# KiCad board OM-16LED.kicad_pcb
title: OM-16LED - 16 CHANNEL LED DRIVER; date: 2026-03-13; rev: 1B; company: HTTPS://GITHUB.COM/OPENMODBUS/OM-16LED; note: Supply voltage: 12/15–27 V DC; Output rating: up to 60 V DC; note: Suitable for driving multiple LED strips.; note: Communicates with other devices via MODBUS and provides 16 outputs.; note: Module designed for home industrial automation systems.
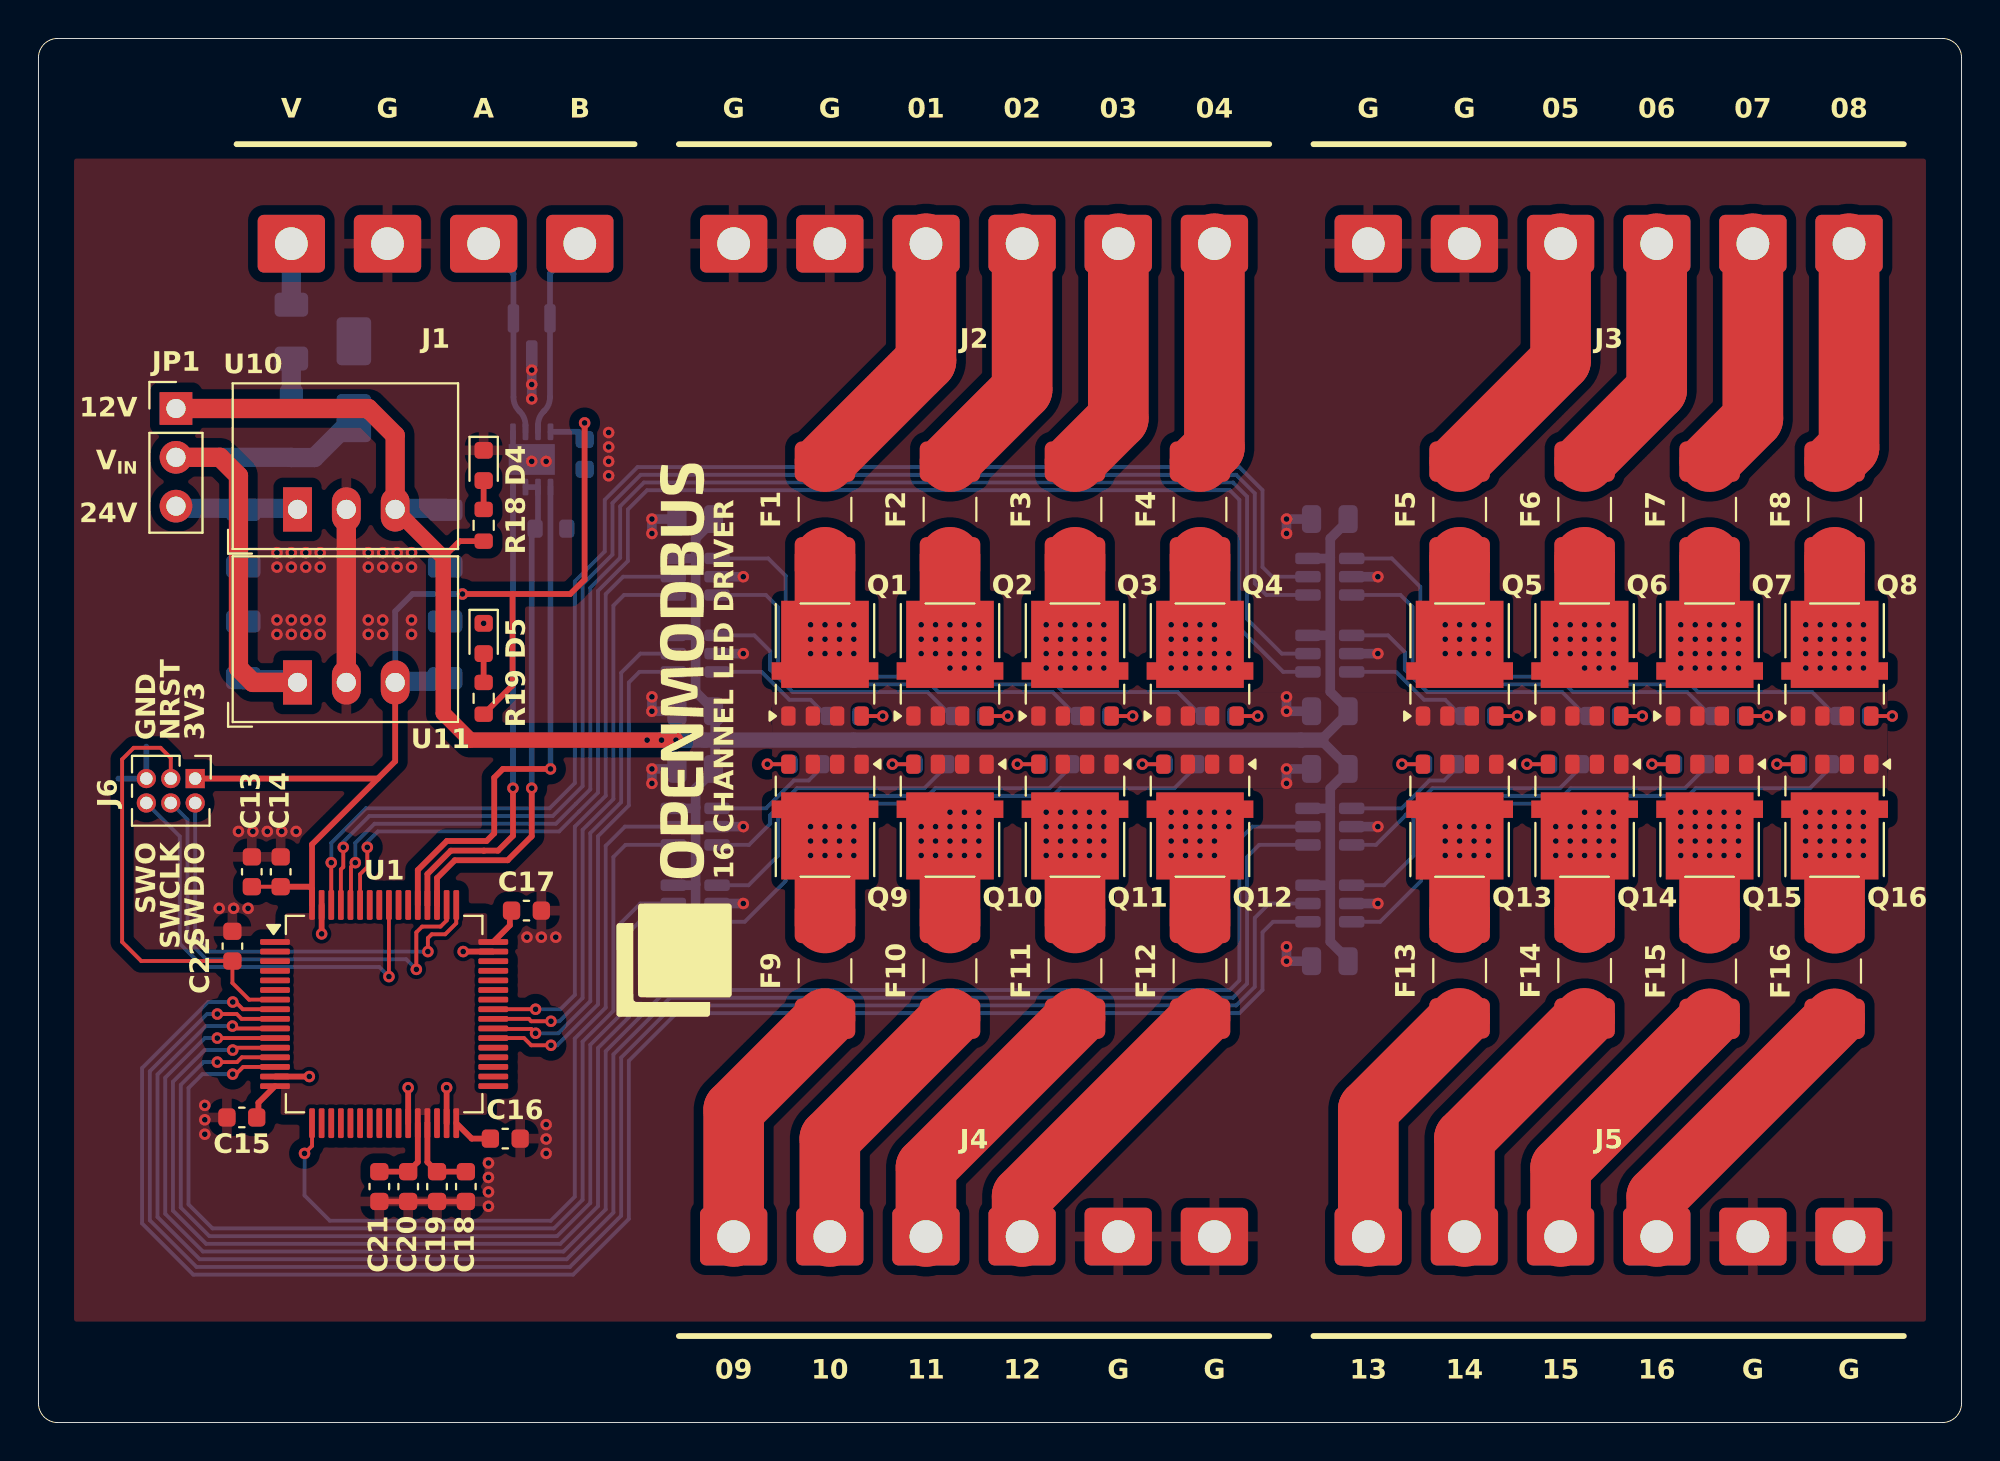
[diagram p0: board, top side]
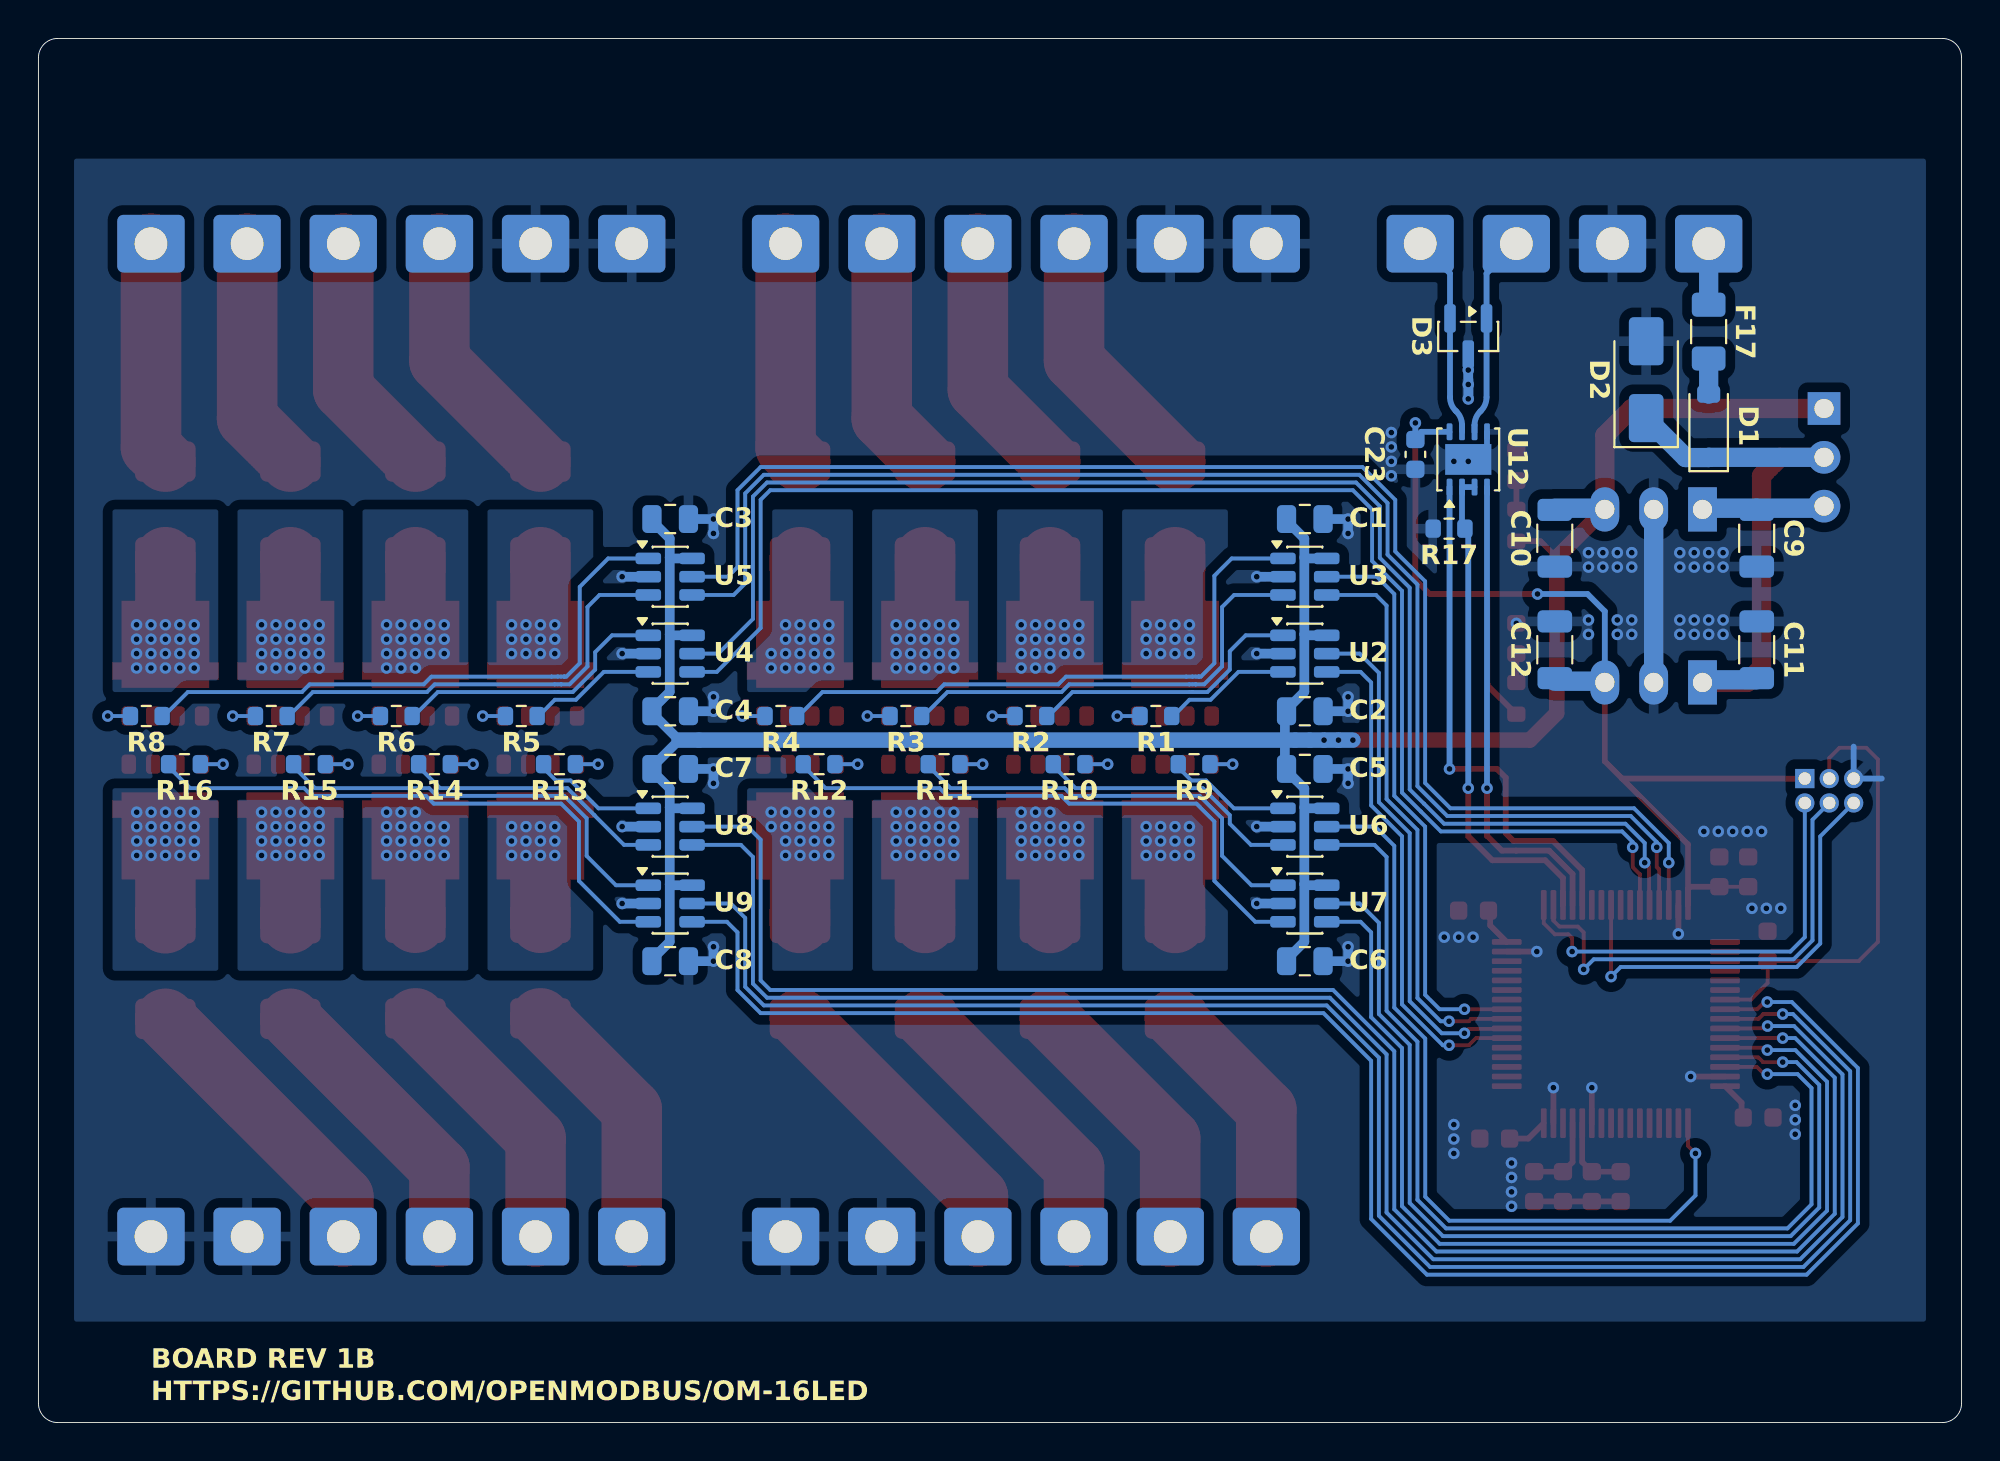
[diagram p1: board, bottom side, seen from below]

Outline 100 x 72 mm; copper layers: Top, Bottom. Coordinates in mm from the lower left corner of the outline.
Outline path: 0,71 arc(0.29,71.71) 1,72 99,72 arc(99.71,71.71) 100,71 100,1 arc(99.71,0.29) 99,0 1,0 arc(0.29,0.29) 0,1 0,71
Stack: Top 0.035mm / dielectric 1.51mm FR4 er 4.5 / Bottom 0.035mm

## Placement (name value [footprint] x y rotation side)
C1  0.1uF  [C_0805_2012Metric]  34.15 47 180 bottom
C2  0.1uF  [C_0805_2012Metric]  34.15 37 180 bottom
C3  0.1uF  [C_0805_2012Metric]  67.15 47 180 bottom
C4  0.1uF  [C_0805_2012Metric]  67.15 37 180 bottom
C5  0.1uF  [C_0805_2012Metric]  34.15 34 180 bottom
C6  0.1uF  [C_0805_2012Metric]  34.15 24 180 bottom
C7  0.1uF  [C_0805_2012Metric]  67.15 34 180 bottom
C8  0.1uF  [C_0805_2012Metric]  67.15 24 180 bottom
C9  10uF  [C_1206_3216Metric]  10.65 46 270 bottom
C10  10uF  [C_1206_3216Metric]  21.15 46 270 bottom
C11  10uF  [C_1206_3216Metric]  10.65 40.2 90 bottom
C12  10uF  [C_1206_3216Metric]  21.15 40.2 90 bottom
C13  4.7uF  [C_0603_1608Metric]  11.09 28.65 90 top
C14  0.1uF  [C_0603_1608Metric]  12.59 28.65 90 top
C15  0.1uF  [C_0603_1608Metric]  10.57 15.87 180 top
C16  0.1uF  [C_0603_1608Metric]  24.27 14.77 0 top
C17  0.1uF  [C_0603_1608Metric]  25.38 26.63 0 top
C18  1uF  [C_0603_1608Metric]  22.23 12.28 270 top
C19  0.1uF  [C_0603_1608Metric]  20.73 12.28 270 top
C20  10nF  [C_0603_1608Metric]  19.23 12.28 270 top
C21  1uF  [C_0603_1608Metric]  17.73 12.28 270 top
C22  0.1uF  [C_0603_1608Metric]  10.08 24.78 270 top
C23  0.1uF  [C_0603_1608Metric]  28.4 50.36 90 bottom
D1  CD123D-B140LR  [D_SOD-123]  13.15 51.85 90 bottom
D2  SMAJ28A  [D_SMA]  16.4 54.25 90 bottom
D3  SM712_SOT23  [SOT-23]  25.65 56.5 270 bottom
D4  RED  [LED_0603_1608Metric]  23.15 49.79 270 top
D5  RED  [LED_0603_1608Metric]  23.15 40.79 270 top
F1  8A 60VDC  [Fuse_0679H]  40.9 47.5 90 top
F2  8A 60VDC  [Fuse_0679H]  47.4 47.5 90 top
F3  8A 60VDC  [Fuse_0679H]  53.9 47.5 90 top
F4  8A 60VDC  [Fuse_0679H]  60.4 47.5 90 top
F5  8A 60VDC  [Fuse_0679H]  73.9 47.5 90 top
F6  8A 60VDC  [Fuse_0679H]  80.4 47.5 90 top
F7  8A 60VDC  [Fuse_0679H]  86.9 47.5 90 top
F8  8A 60VDC  [Fuse_0679H]  93.4 47.5 90 top
F9  8A 60VDC  [Fuse_0679H]  40.9 23.5 270 top
F10  8A 60VDC  [Fuse_0679H]  47.4 23.5 270 top
F11  8A 60VDC  [Fuse_0679H]  53.9 23.5 270 top
F12  8A 60VDC  [Fuse_0679H]  60.4 23.5 270 top
F13  8A 60VDC  [Fuse_0679H]  73.9 23.51 270 top
F14  8A 60VDC  [Fuse_0679H]  80.4 23.51 270 top
F15  8A 60VDC  [Fuse_0679H]  86.9 23.49 270 top
F16  8A 60VDC  [Fuse_0679H]  93.4 23.49 270 top
F17  1A  [Fuse_1206_3216Metric]  13.15 56.75 270 bottom
G***  LOGO  [OpenModbus]  33.05 35.5 90 top
J1  2EDGVC-5.0-04P  [TerminalBlock_DEGSON_2EDGVC-5.0-04P_No_SilkScreen]  13.15 61.32 0 top
J2  2EDGVC-5.0-06P  [TerminalBlock_DEGSON_2EDGVC-5.0-06P_No_SilkScreen]  36.15 61.32 0 top
J3  2EDGVC-5.0-06P  [TerminalBlock_DEGSON_2EDGVC-5.0-06P_No_SilkScreen]  69.15 61.32 0 top
J4  2EDGVC-5.0-06P  [TerminalBlock_DEGSON_2EDGVC-5.0-06P_No_SilkScreen]  61.15 9.68 180 top
J5  2EDGVC-5.0-06P  [TerminalBlock_DEGSON_2EDGVC-5.0-06P_No_SilkScreen]  94.15 9.68 180 top
J6  02x03 1.27  [PinHeader_2x03_P1.27mm_Vertical]  8.15 33.5 270 top  (not fitted)
JP1  Jumper_3_Open  [PinHeader_1x03_P2.54mm_Vertical]  7.15 52.75 0 top
Q1  NTMFS4D0N08X  [ONSemi_SO-8FL_488AA]  40.9 39.5 90 top
Q2  NTMFS4D0N08X  [ONSemi_SO-8FL_488AA]  47.4 39.5 90 top
Q3  NTMFS4D0N08X  [ONSemi_SO-8FL_488AA]  53.9 39.5 90 top
Q4  NTMFS4D0N08X  [ONSemi_SO-8FL_488AA]  60.4 39.5 90 top
Q5  NTMFS4D0N08X  [ONSemi_SO-8FL_488AA]  73.9 39.5 90 top
Q6  NTMFS4D0N08X  [ONSemi_SO-8FL_488AA]  80.4 39.5 90 top
Q7  NTMFS4D0N08X  [ONSemi_SO-8FL_488AA]  86.9 39.5 90 top
Q8  NTMFS4D0N08X  [ONSemi_SO-8FL_488AA]  93.4 39.5 90 top
Q9  NTMFS4D0N08X  [ONSemi_SO-8FL_488AA]  40.9 31.5 270 top
Q10  NTMFS4D0N08X  [ONSemi_SO-8FL_488AA]  47.4 31.5 270 top
Q11  NTMFS4D0N08X  [ONSemi_SO-8FL_488AA]  53.9 31.5 270 top
Q12  NTMFS4D0N08X  [ONSemi_SO-8FL_488AA]  60.4 31.5 270 top
Q13  NTMFS4D0N08X  [ONSemi_SO-8FL_488AA]  73.9 31.5 270 top
Q14  NTMFS4D0N08X  [ONSemi_SO-8FL_488AA]  80.4 31.5 270 top
Q15  NTMFS4D0N08X  [ONSemi_SO-8FL_488AA]  86.9 31.5 270 top
Q16  NTMFS4D0N08X  [ONSemi_SO-8FL_488AA]  93.4 31.5 270 top
R1  10  [R_0603_1608Metric]  41.89 36.75 0 bottom
R2  10  [R_0603_1608Metric]  48.39 36.75 0 bottom
R3  10  [R_0603_1608Metric]  54.89 36.75 0 bottom
R4  10  [R_0603_1608Metric]  61.39 36.75 0 bottom
R5  10  [R_0603_1608Metric]  74.89 36.75 0 bottom
R6  10  [R_0603_1608Metric]  81.39 36.75 0 bottom
R7  10  [R_0603_1608Metric]  87.89 36.75 0 bottom
R8  10  [R_0603_1608Metric]  94.39 36.75 0 bottom
R9  10  [R_0603_1608Metric]  39.91 34.25 180 bottom
R10  10  [R_0603_1608Metric]  46.41 34.25 180 bottom
R11  10  [R_0603_1608Metric]  52.91 34.25 180 bottom
R12  10  [R_0603_1608Metric]  59.41 34.25 180 bottom
R13  10  [R_0603_1608Metric]  72.91 34.25 180 bottom
R14  10  [R_0603_1608Metric]  79.41 34.25 180 bottom
R15  10  [R_0603_1608Metric]  85.91 34.25 180 bottom
R16  10  [R_0603_1608Metric]  92.41 34.25 180 bottom
R17  10K  [R_0603_1608Metric]  26.65 46.5 0 bottom
R18  2K2  [R_0603_1608Metric]  23.15 46.67 90 top
R19  470  [R_0603_1608Metric]  23.15 37.67 90 top
U1  STM32G474RETx  [LQFP-64_10x10mm_P0.5mm]  17.98 21.25 0 top
U2  2EDN7534B  [SOT-23-6]  34.15 40 180 bottom
U3  2EDN7534B  [SOT-23-6]  34.15 44 180 bottom
U4  2EDN7534B  [SOT-23-6]  67.15 40 180 bottom
U5  2EDN7534B  [SOT-23-6]  67.15 44 180 bottom
U6  2EDN7534B  [SOT-23-6]  34.15 31 180 bottom
U7  2EDN7534B  [SOT-23-6]  34.15 27 180 bottom
U8  2EDN7534B  [SOT-23-6]  67.15 31 180 bottom
U9  2EDN7534B  [SOT-23-6]  67.15 27 180 bottom
U10  R-78E12-1.0  [Converter_DCDC_RECOM_R-78E-0.5_THT]  13.47 47.5 0 top
U11  R-78E3.3-0.5  [Converter_DCDC_RECOM_R-78E-0.5_THT]  13.47 38.5 0 top
U12  THVD1450DR  [VSON-8-1EP_3x3mm_P0.65mm_EP1.6x2.4mm]  25.65 50.1 90 bottom

## Library data of the parts
C1-C8 = -: Description: 0.1 uF 50 VDC 10% 0805 X7R AEC-Q200; LCSC#: C782178; Manufacturer: Murata; Mouser#: 81-GRT21BR71H104KE1L; Part Number: GRT21BR71H104KE01L; ki_fp_filters: C_*
C9-C12 = -: Description: 10 uF 50 VDC 10% 1206 X5R AEC-Q200; LCSC#: C417124; Manufacturer: Murata; Mouser#: 81-GRT31CR61H106KE1L; Part Number: GRT31CR61H106KE01L; ki_fp_filters: C_*
C13 = -: Description: 4.7 uF 25 VDC 10% 0603 X5R; LCSC#: C90057; Manufacturer: Murata; Mouser#: 81-GRM188R61E475KE1D; Part Number: GRM188R61E475KE11D; ki_fp_filters: C_*
C14-C17 C19 C22 C23 = -: Description: 0.1 uF 50 VDC 10% 0603 X7R AEC-Q200; LCSC#: C161115; Manufacturer: Murata; Mouser#: 81-GCJ188R71H104KA2D; Part Number: GCJ188R71H104KA12D; ki_fp_filters: C_*
C18 C21 = -: Description: 1 uF 50 VDC 10% 0603 X5R AEC-Q200; LCSC#: C126631; Manufacturer: Murata; Mouser#: 81-GRT188R61H105KE3D; Part Number: GRT188R61H105KE13D; ki_fp_filters: C_*
C20 = -: Description: 0.01 uF 50 VDC 10% 0603 X7R AEC-Q200; LCSC#: C85863; Manufacturer: Murata; Mouser#: 81-GCM188R71H103KA7D; Part Number: GCM188R71H103KA37D; ki_fp_filters: C_*
D1 = -: Datasheet: https://www.mouser.com/catalog/specsheets/bourns_CD123D-B1xR.pdf; Description: Schottky diode, small symbol; LCSC#: C6877135; Manufacturer: Bourns; Mouser#: 652-CD123D-B140LR; ki_fp_filters: TO-???* *_Diode_* *SingleDiode* D_*
D2 = -: Datasheet: https://www.littelfuse.com/media?resourcetype=datasheets&itemid=75e32973-b177-4ee3-a0ff-cedaf1abdb93&filename=smaj-datasheet; Description: 400W unidirectional Transient Voltage Suppressor, 28.0Vr, SMA(DO-214AC); LCSC#: C148227; Manufacturer: Littelfuse; Mouser#: 576-SMAJ28A; ki_fp_filters: D*SMA*
D3 = -: Datasheet: https://www.littelfuse.com/~/media/electronics/datasheets/tvs_diode_arrays/littelfuse_tvs_diode_array_sm712_datasheet.pdf.pdf; Description: 7V/12V, 600W Asymmetrical TVS Diode Array, SOT-23; LCSC#: C172881; Manufacturer: Littelfuse; Mouser#: 576-SM712-02HTG; Part Number: SM712-02HTG; ki_fp_filters: SOT?23*
D4 D5 = -: Description: Single Color LEDs Red Clear 621nm; Part Number: LTST-C190EKT; Manufacturer: LITEON; LCSC#: C364560; Mouser#: 859-LTST-C190EKT; ki_fp_filters: LED* LED_SMD:* LED_THT:*
F1-F16 = -: Datasheet: https://www.belfuse.com/media/datasheets/products/circuit-protection/ds-cp-0679h-series.pdf; Description: Surface Mount Fuse 8A 350 VAC 72 VCD; LCSC#: C3156889; Manufacturer: Bel Fuse; Mouser#: 530-0679H8000-05; Part Number: 0679H8000-05; ki_fp_filters: *Fuse*
F17 = -: Datasheet: https://www.littelfuse.com/assetdocs/littelfuse_fuse_466_datasheet?assetguid=dbe9bcd7-6072-4adf-bf5b-d33e52a6b90f; Description: Surface Mount Fuse 63V FA 1206 1A VFA Slimline; LCSC#: C151135; Manufacturer: Littelfuse; Mouser#: 576-0466001.NR; Part Number: 0466001.NR; ki_fp_filters: *polyfuse* *PTC*
J1 = -: LCSC#: C441377; Manufacturer: DEGSON; Part Number: 10030002303; ki_fp_filters: Connector*:*_1x??_*
J2-J5 = -: LCSC#: C441379; Manufacturer: DEGSON; Part Number: 10030002306; ki_fp_filters: Connector*:*_1x??_*
J6 = -: Description: Generic connector, double row, 02x03, odd/even pin numbering scheme (row 1 odd numbers, row 2 even numbers), script generated (kicad-library-utils/schlib/autogen/connector/); ki_fp_filters: Connector*:*_2x??_*
JP1 = -: Description: Jumper, 3-pole, both open; ki_fp_filters: Jumper* TestPoint*3Pads* TestPoint*Bridge*
Q1-Q16 = -: Datasheet: https://www.onsemi.com/download/data-sheet/pdf/ntmfs4d0n08x-d.pdf; Description: MOSFETs T10 80V STD NCH MOSFET SO8FL; LCSC#: C35185549; Manufacturer: onsemi; Mouser#: 863-NTMFS4D0N08XT1G; Part Number: NTMFS4D0N08XT1G
R1-R16 = -: Description: SMD 0603 10Ohm 1% AEC-Q200; LCSC#: C2842424; Manufacturer: Panasonic; Mouser#: 667-ERJ-H3EF10R0V; Part Number: ERJ-H3EF10R0V; ki_fp_filters: R_*
R17 = -: Description: SMD 0603 10KOhm 1% 1/8W AEC-Q200; LCSC#: C4297913; Manufacturer: Panasonic; Mouser#: 667-ERJ-H3EF1002V; Part Number: ERJ-H3EF1002V; ki_fp_filters: R_*
R18 = -: Description: SMD 0603 2K2 Ohm 5% 1/4W AEC-Q200; Manufacturer: Panasonic; Part Number: ERJ-UP3J222V; LCSC#: C491201; Mouser#: 667-ERJ-UP3J222V; ki_fp_filters: R_*
R19 = -: Description: SMD 0603 470Ohm 5% 1/4W AEC-Q200; Manufacturer: Panasonic; Part Number: ERJ-UP3J471V; LCSC#: C491199; Mouser#: 667-ERJ-UP3J471V; ki_fp_filters: R_*
U1 = -: Datasheet: https://www.st.com/resource/en/datasheet/stm32g474re.pdf; Description: ARM Microcontrollers - MCU Mainstream Arm Cortex-M4 MCU 170 MHz 512 Kbytes of Flash Math Accel, HR Timer; LCSC#: C521608; Manufacturer: STMicroelectronics; Mouser#: 511-STM32G474RET6; Part Number: STM32G474RET6; ki_fp_filters: LQFP*10x10mm*P0.5mm*
U2-U9 = -: Datasheet: https://www.mouser.pl/datasheet/3/70/1/Infineon_2EDN7534B_DataSheet_v01_00_EN.pdf; Description: Dual-channel low-side 5 A gate driver ICs with low output resistance and excellent timing accuracy; LCSC#: C3654924; Manufacturer: Infineon Technologies; Mouser#: 726-2EDN7534BXTSA1; Part Number: 2EDN7534BXTSA1; ki_fp_filters: SOT?23*
U10 = -: Datasheet: https://www.mouser.pl/datasheet/3/887/1/R-78E-1.0.pdf; Description: 1.0 AStep-Down DC/DC-Regulator, 15-27V input, 12V fixed Output Voltage, LM78xx replacement, -40°C to +85°C, SIP3; Manufacturer: RECOM; LCSC#: C5240945; Mouser#: 919-R-78E12-1.0/X9; Part Number: R-78E12-1.0/X9; ki_fp_filters: Converter*DCDC*RECOM*R*78E*0.5*
U11 = -: Datasheet: https://www.recom-power.com/pdf/Innoline/R-78Exx-0.5.pdf; Description: 0.5A Step-Down DC/DC-Regulator, 6-28V input, 3.3V fixed Output Voltage, LM78xx replacement, -40°C to +85°C, SIP3; LCSC#: C18212316; Manufacturer: RECOM; Mouser#: 919-R-78E3.3-0.5; ki_fp_filters: Converter*DCDC*RECOM*R*78E*0.5*
U12 = -: Datasheet: https://www.ti.com/lit/ds/symlink/thvd1450.pdf; Description: 3.3-V to 5-V RS-485 transceiver with ±18-kV IEC ESD protection, VSON-8; Manufacturer: Texas Instruments; LCSC#: C1850226; Mouser#: 595-THVD1450DRBR; Part Number: THVD1450DRBR; ki_fp_filters: *VSON*3x3mm*P0.65mm*EP1.6x2.4mm*
